# Altium PCB motordriver-v5.2.PcbDoc (part 5 of 7)
Units mil, origin at the board's own origin, x right, y up, seen from the top; angles counter-clockwise.
Board outline 4530.01 x 6141.73 mil, 6 copper layers (Top Copper, GND Layer 1, Signal Layer 1, Signal Layer 2, PWR Layer, Bottom Copper), stack 58.2 mil thick; 778 components, 542 nets, 2552 pads, 1095 vias.
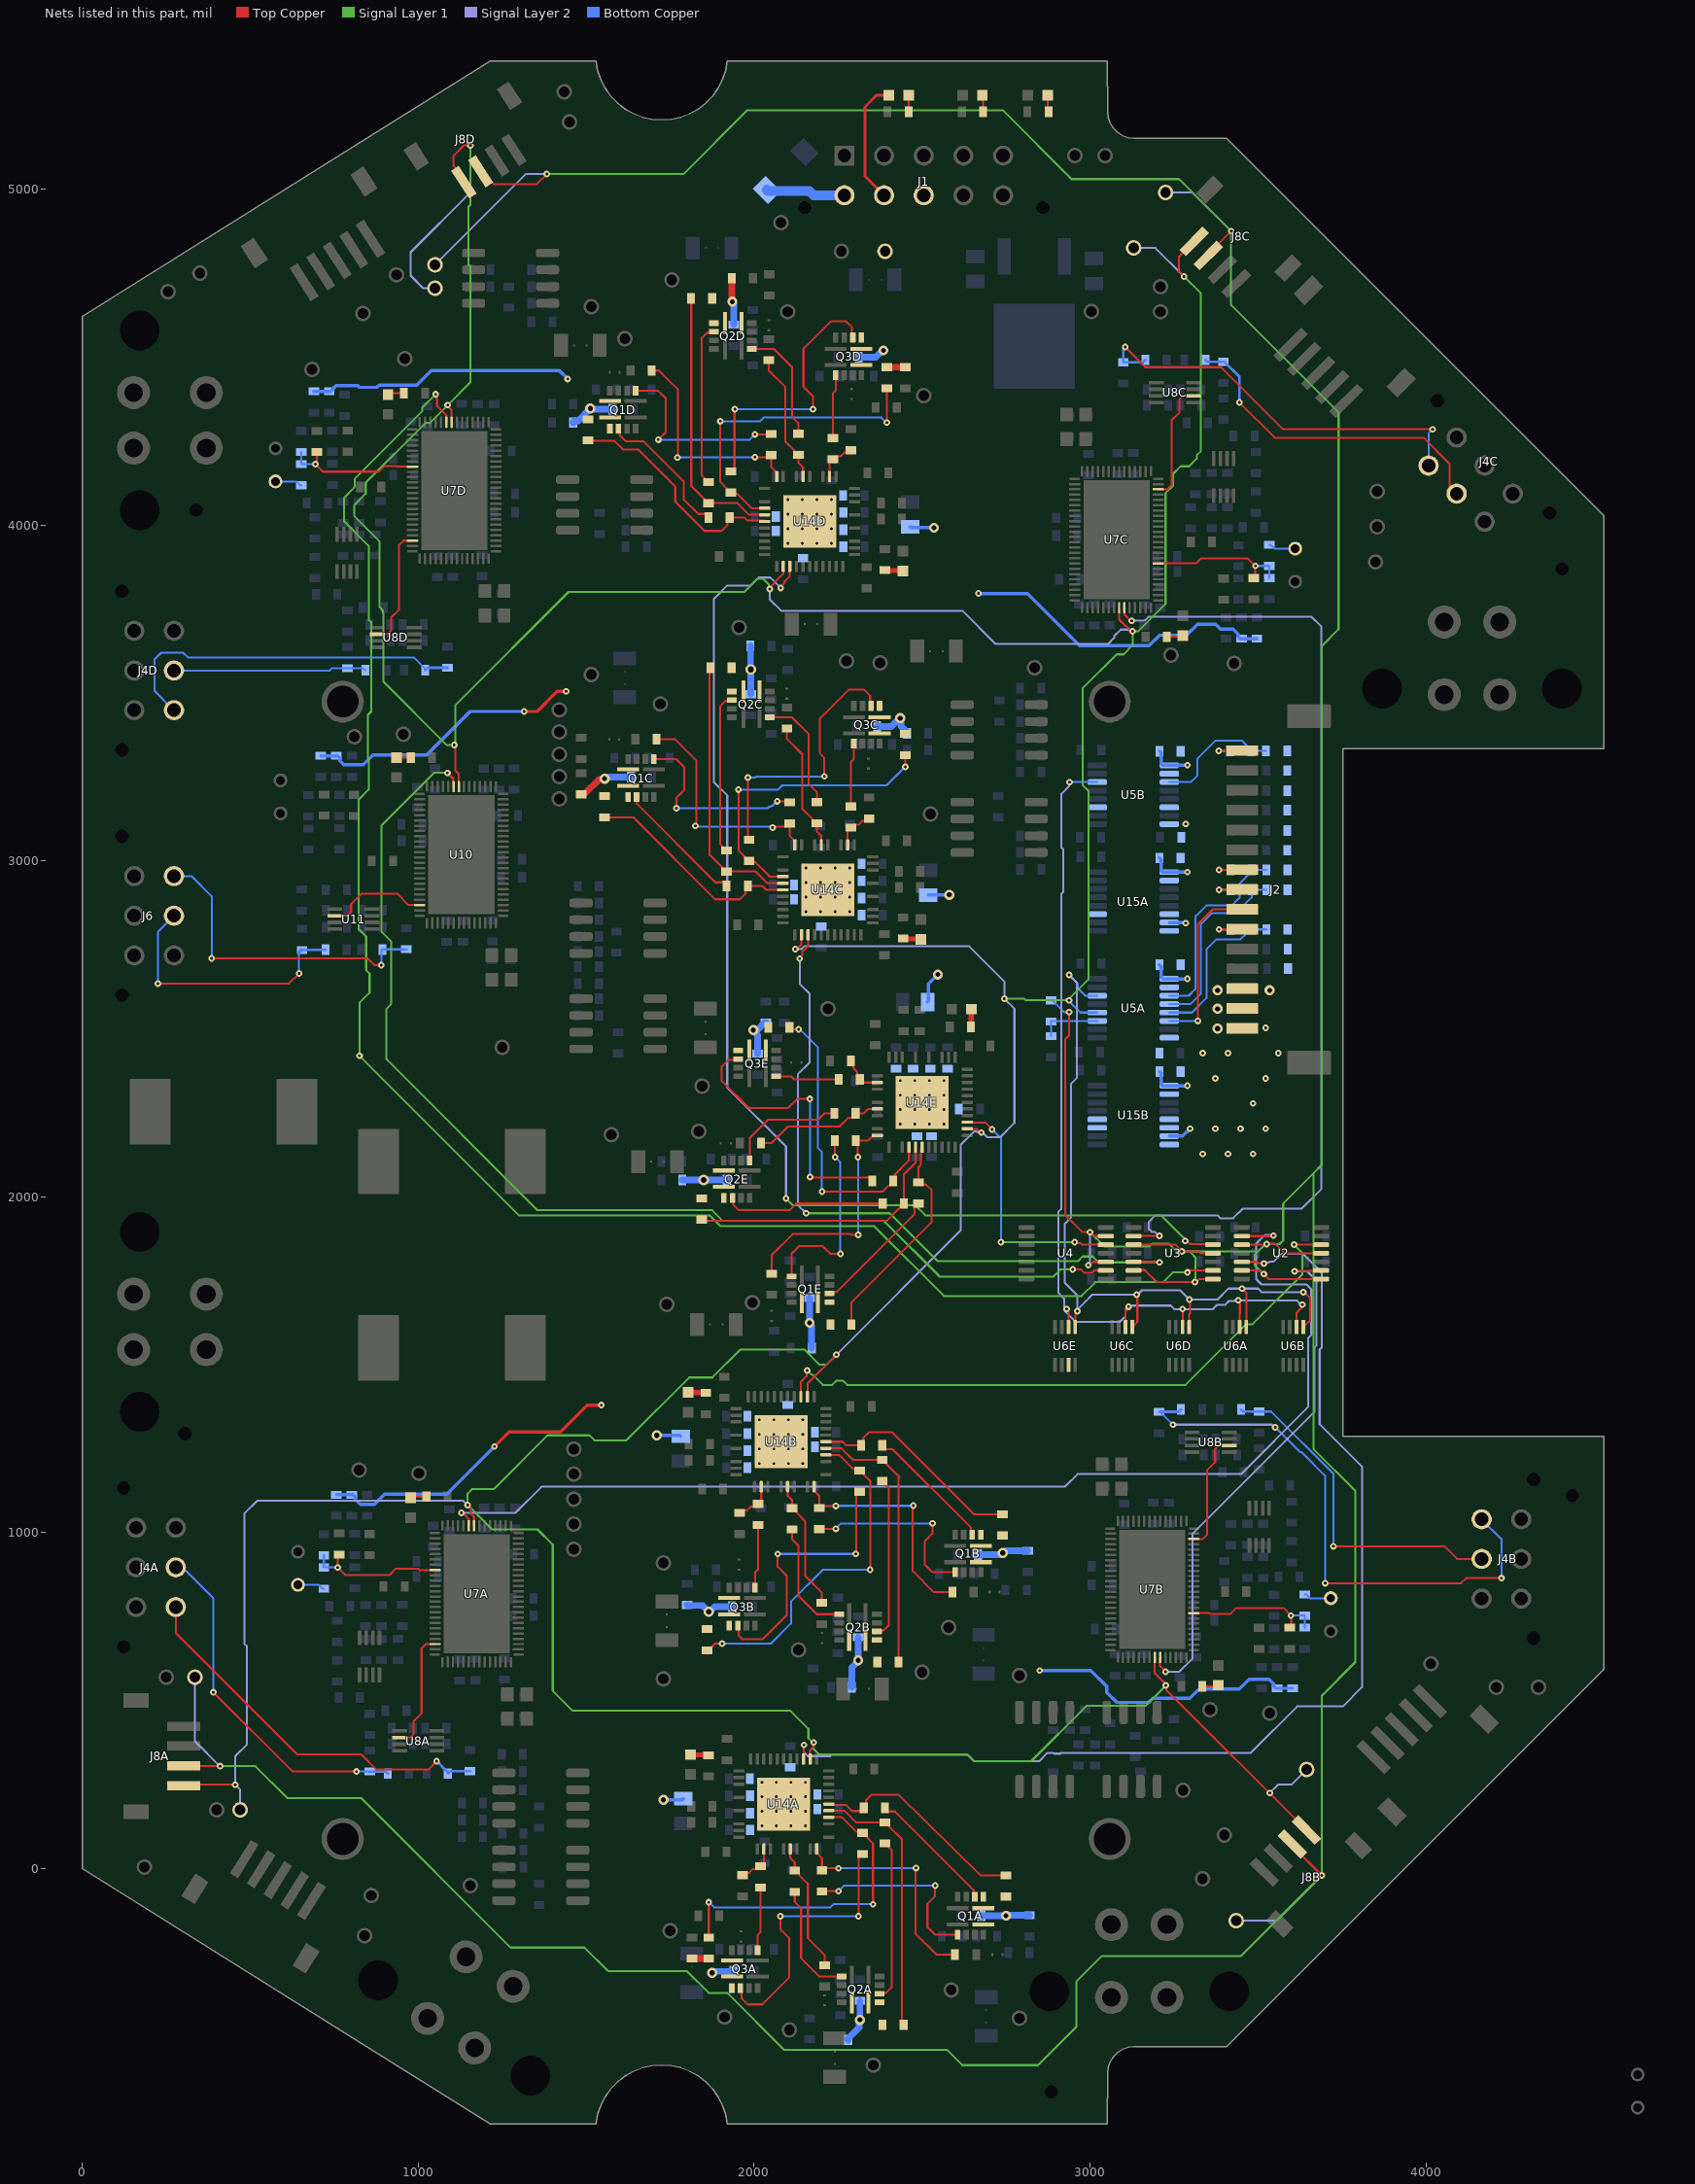
[diagram p9: the nets of this part, all layers, seen from the top]

## Via types
v1: diameter 19.68, hole 7.87, Top Copper to Bottom Copper, tented both sides, 751 vias
v2: diameter 19.68, hole 7.87, Top Copper to Bottom Copper, 276 vias
v3: diameter 30, hole 15, Top Copper to Bottom Copper, tented both sides, 54 vias
v4: diameter 31.5, hole 17.72, Top Copper to Bottom Copper, tented both sides, 14 vias

## Nets (pads, with @x,y where several pads share a name; then routed paths per layer and width w, separated by ;. In a path a pad name is that pad's centre, name@x,y a point inside that pad or via, vN(x,y) a via of type N, cw(c..) or ccw(c..) an arc to the next point about the centre after c; other vN are vias at no path point) (continued)
HALL_VA: J4A.2 R27A.2 R30A.1 | length 1049.7
  Top Copper w6: v1(390,525) 625.92,289.08 v1(815.92,289.08)
  Bottom Copper w6: J4A.2@278.11,896.89 288.11,886.89 308.11,886.89 390,805 v1(390,525) ; v1(815.92,289.08) R30A.1@855.99,289.08
  Bottom Copper w8: R30A.1@855.99,289.08 903.49,289.08 R27A.2@909.49,283.07
HALL_VB: J4B.2 R27B.2 R30B.1 | length 1026.7
  Top Copper w6: v1@3725,960 4055,960 4093,922 J4B.2@4165.89,922
  Bottom Copper w6: R30B.1@3502.99,1360.88 3538.94,1360.88 3725,1174.82 v1(3725,959.82)
  Bottom Copper w8: R27B.2@3449.49,1366.88 3455.49,1360.88 R30B.1@3502.99,1360.88
HALL_VC: J4C.2 R27C.2 R30C.1 | length 976.7
  Top Copper w6: v1(3445,4365) 3550,4260 3993.11,4260 4067.66,4185.46 4070,4183.11 J4C.2@4070,4105.75
  Bottom Copper w8: R27C.2@3343.49,4491.78 3349.49,4485.77 R30C.1@3396.99,4485.77 3400.93,4485.77 3445,4441.7 v1(3445,4365)
HALL_VD: J4D.2 R27D.2 R30D.1 | length 575.4
  Bottom Copper w6: J4D.2@272.53,3566.96 736.96,3566.96 744.08,3574.08 R30D.1@788.99,3574.08 836.49,3574.08 R27D.2@842.49,3568.07
HALL_VE: J6.2 R48.2 R51.1 | length 799.6
  Top Copper w6: v1(225,2635) 615,2635 v1(645,2665)
  Bottom Copper w6: v1(225,2635) 225,2789.42 J6.2@272.53,2836.96 ; v1(645,2665) R51.1@645,2728.26
  Bottom Copper w8: R51.1@653.99,2735.08 723.01,2735.08 R48.2@724,2736.07
  Bottom Copper w10: R51.1@645,2728.26 651.81,2735.08 R51.1@653.99,2735.08
HALL_WY_CTRLA: U7A.36 U8A.2 | length 356.5
  Top Copper w6: U8A.2@944.66,390.24 976.31,390.24 986.43,400.36 986.43,439.51 1009.82,462.9 1009.82,655.6 1022.81,668.59 U7A.36@1050.05,668.59
HALL_WY_CTRLB: U7B.36 U8B.2 | length 356.5
  Top Copper w6: U7B.36@3308.93,981.36 3336.17,981.36 3349.16,994.35 3349.16,1187.05 3372.55,1210.44 3372.55,1249.59 3382.67,1259.71 U8B.2@3414.32,1259.71
HALL_WY_CTRLC: U7C.36 U8C.2 | length 356.5
  Top Copper w6: U7C.36@3202.93,4106.26 3230.17,4106.26 3243.16,4119.24 3243.16,4311.95 3266.55,4335.34 3266.55,4374.48 3276.67,4384.6 U8C.2@3308.32,4384.6
HALL_WY_CTRLD: U7D.36 U8D.2 | length 356.5
  Top Copper w6: U8D.2@877.66,3675.24 909.31,3675.24 919.43,3685.36 919.43,3724.51 943.19,3748.26 943.19,3940.96 955.81,3953.59 U7D.36@983.05,3953.59
HALL_WY_CTRLE: U10.36 U11.2 | length 308
  Top Copper w6: U11.2@751.67,2836.91 788.9,2836.91 799.99,2848 799.99,2871.07 831.99,2903.07 936.99,2903.07 971.31,2868.74 U10.36@1004.49,2868.74
HALL_WYA: J4A.3 R28A.2 R31A.1 | length 1152.2
  Top Copper w6: J4A.3@278.11,778.78 278.11,701.89 640,340 830,340 875,295 1030.01,295 v1(1055,319.99)
  Bottom Copper w8: v1(1055,319.99) 1087.98,287.01 R28A.2@1087.98,283.07 1094.98,290.07 R31A.1@1153.99,290.07
HALL_WYB: J4B.3 R28B.2 R31B.1 | length 1689.5
  Top Copper w6: v1@3700,850 4105,850 4120,865 v1(4225,865)
  Signal Layer 2 w6: v1(3247,1321.81) 3541.21,1321.81 3549.24,1313.79 v1(3551.57,1313.79)
  Bottom Copper w6: R31B.1@3204.99,1359.88 3208.93,1359.88 v1(3247,1321.81) ; v1(3551.57,1313.79) 3624.87,1240.49 3629.32,1240.49 3700,1169.82 v1(3700,849.82) ; J4B.3@4165.89,1040.11 4225,981 v1(4225,865)
  Bottom Copper w8: R31B.1@3208.93,1359.88 3264,1359.88 R28B.2@3271,1366.88
HALL_WYC: J4C.3 R28C.2 R31C.1 | length 1246.1
  Top Copper w6: v1(3105,4530) 3165,4470 3390,4470 3575,4285 v1(4020,4285)
  Bottom Copper w6: J4C.3@4007.97,4177.03 4007.97,4272.97 v1(4020,4285)
  Bottom Copper w8: v1(3105,4530) 3098.99,4523.99 R31C.1@3098.99,4484.78 3158,4484.78 R28C.2@3165,4491.78
HALL_WYD: J4D.3 R28D.2 R31D.1 | length 1082
  Bottom Copper w6: J4D.3@272.53,3448.85 215,3506.38 215,3600 235,3620 300,3620 315,3605 987.99,3605 1020.98,3572.01 R28D.2@1020.98,3568.07
  Bottom Copper w8: R28D.2@1020.98,3568.07 1027.98,3575.07 R31D.1@1086.99,3575.07
HALL_WYE: J6.1 R49.2 R52.1 | length 954.4
  Top Copper w6: v1(385,2710) 849.3,2710 869.3,2690 v1(890,2690)
  Bottom Copper w6: J6.1@272.53,2955.07 324.93,2955.07 385,2895 v1(385,2710) ; v1(890,2690) 890,2733.08 R49.2@892.99,2736.07
  Bottom Copper w8: R49.2@892.99,2736.07 894,2737.08 R52.1@963.99,2737.08
HSG1A: Q1A.7 R59A.1 | length 575.4
  Top Copper w6: R59A.1@2201.99,-66.93 v1(2250.99,-66.93) ; v1(2538.88,-50.76) 2538.88,-81.33 2515.99,-104.22 2515.99,-173.54 2539.06,-196.61 Q1A.7@2605.99,-196.61
  Bottom Copper w6: v1(2250.99,-66.93) 2266.84,-51.08 2538.55,-51.08 v1(2538.88,-50.76)
HSG1B: Q1B.7 R59B.1 | length 575.4
  Top Copper w6: R59B.1@2194.12,1011.81 v1(2243.12,1011.81) ; v1(2531,1027.98) 2531,997.41 2508.12,974.52 2508.12,905.2 2531.19,882.13 Q1B.7@2598.12,882.13
  Bottom Copper w6: v1(2243.12,1011.81) 2258.97,1027.66 2530.68,1027.66 v1(2531,1027.98)
HSG1C: Q1C.7 R59C.1 | length 576.4
  Top Copper w6: Q1C.7@1701.51,3303.07 1768.43,3303.07 1791.51,3279.99 1791.51,3210.67 1768.62,3187.79 v1(1768.62,3157.21) ; v1(2068.66,3177.68) 2101.21,3177.68 R59C.1@2103.7,3175.2
  Bottom Copper w6: v1(1768.62,3157.21) 1768.94,3157.54 2040.66,3157.54 2044.64,3161.52 2048.18,3161.52 2051.05,3164.4 2055.3,3164.4 2068.59,3177.68 v1(2068.66,3177.68)
HSG1D: Q1D.7 R59D.1 | length 574.5
  Top Copper w6: Q1D.7@1647.4,4399.75 1714.33,4399.75 1737.4,4376.68 1737.4,4276.78 v1(1714.84,4254.22) ; v1(2002.4,4270.07) R59D.1@2051.4,4270.07
  Bottom Copper w6: v1(1714.84,4254.22) 1986.55,4254.22 v1(2002.4,4270.07)
HSG1E: Q1E.7 R59E.1 | length 575.4
  Top Copper w6: Q1E.7@2111.31,1763.48 2111.31,1830.41 2134.38,1853.48 2203.7,1853.48 2226.59,1830.59 v1(2257.16,1830.59) ; v1(2240.99,2118.48) R59E.1@2240.99,2167.48
  Bottom Copper w6: v1(2240.99,2118.48) 2256.84,2102.63 2256.84,1830.92 v1(2257.16,1830.59)
HSG2A: Q2A.7 R64A.1 | length 348.9
  Top Copper w6: R64A.1@2120.99,-68.92 2120.99,-98.65 2139.73,-117.39 2139.73,-266.32 2194.62,-321.22 Q2A.7@2260.72,-321.22
HSG2B: Q2B.7 R64B.1 | length 348.9
  Top Copper w6: R64B.1@2113.12,1009.82 2113.11,980.09 2131.85,961.35 2131.85,812.42 2186.75,757.52 Q2B.7@2252.84,757.52
HSG2C: Q2C.7 R64C.1 | length 348.9
  Top Copper w6: Q2C.7@2046.78,3427.67 2112.88,3427.67 2161.89,3378.66 2161.89,3229.72 2186.51,3205.1 R64C.1@2186.51,3175.38
HSG2D: Q2D.7 R64D.1 | length 348.9
  Top Copper w6: Q2D.7@1992.67,4524.36 2058.77,4524.36 2113.67,4469.46 2113.67,4320.52 2132.4,4301.78 R64D.1@2132.4,4272.06
HSG2E: Q2E.7 R64E.1 | length 348.9
  Top Copper w6: Q2E.7@1986.7,2108.75 1986.7,2174.85 2041.6,2229.74 2190.53,2229.74 2209.27,2248.48 R64E.1@2239,2248.48
HSG3A: Q3A.7 R73A.1 | length 190.3
  Top Copper w6: Q3A.7@2010.52,-242.68 2010.52,-197.6 2019.16,-188.96 R73A.1@2019.16,-55.92
HSG3B: Q3B.7 R73B.1 | length 190.3
  Top Copper w6: Q3B.7@2002.65,836.06 2002.65,881.14 2011.28,889.78 R73B.1@2011.28,1022.82
HSG3C: Q3C.7 R73C.1 | length 190.3
  Top Copper w6: R73C.1@2288.34,3162.38 2288.34,3295.41 2296.98,3304.05 Q3C.7@2296.98,3349.13
HSG3D: Q3D.7 R73D.1 | length 190.3
  Top Copper w6: R73D.1@2234.23,4259.06 2234.23,4392.1 2242.87,4400.73 Q3D.7@2242.87,4445.81
HSG3E: Q3E.7 R73E.1 | length 190.3
  Top Copper w6: Q3E.7@2065.24,2358.95 2110.32,2358.95 2118.96,2350.31 R73E.1@2252,2350.31
HSUA: R57A.2 R59A.2 U14A.37 | length 684.1
  Top Copper w6: U14A.37@2186.48,58.54 2186.48,46.73 2201.99,31.22 R59A.2@2201.99,-4.93 ; R59A.2@2207.99,1.07 v1(2250.99,1.07) ; v1(2482.04,1.94) 2480.01,-0.09 2480.01,-192.95 2542.73,-255.67 R57A.2@2598.12,-255.67
  Bottom Copper w6: v1(2250.99,1.07) 2251.43,1.5 2481.6,1.5 v1(2482.04,1.94)
HSUB: R57B.2 R59B.2 U14B.37 | length 684.1
  Top Copper w6: U14B.37@2178.61,1137.28 2178.61,1125.47 2194.12,1109.96 R59B.2@2194.12,1073.81 ; R59B.2@2200.12,1079.81 v1(2243.12,1079.81) ; v1(2474.17,1080.68) 2472.13,1078.65 2472.13,885.79 2534.85,823.07 R57B.2@2590.24,823.07
  Bottom Copper w6: v1(2243.12,1079.81) 2243.55,1080.24 2473.73,1080.24 v1(2474.17,1080.68)
HSUC: R57C.2 R59C.2 U14C.37 | length 688.4
  Top Copper w6: R57C.2@1709.38,3362.12 1764.77,3362.12 1827.49,3299.4 1827.49,3106.55 v1(1825.46,3104.51) ; v1(2054.84,3099.39) 2058.55,3099.39 2061.73,3102.57 2096.7,3102.57 R59C.2@2099.51,3105.39 ; R59C.2@2105.51,3111.39 2105.51,3075.23 2121.02,3059.72 U14C.37@2121.02,3047.91
  Bottom Copper w6: v1(1825.46,3104.51) 1828.02,3101.95 2052.28,3101.95 v1(2054.84,3099.39)
HSUD: R57D.2 R59D.2 U14D.37 | length 649.1
  Top Copper w6: R57D.2@1695,4460 1716.67,4460 1740.83,4435.83 1773.38,4403.28 1773.38,4203.23 v1(1771.35,4201.2) ; v1(2002.4,4202.07) R59D.2@2045.4,4202.07 ; R59D.2@2051.4,4208.07 2051.4,4171.91 2066.91,4156.4 U14D.37@2066.91,4144.59
  Bottom Copper w6: v1(1771.35,4201.2) 1771.79,4201.63 2001.97,4201.63 v1(2002.4,4202.07)
HSUE: R57E.2 R59E.2 U14E.37 | length 685.2
  Top Copper w6: R57E.2@2052.25,1771.35 2052.25,1826.74 2114.97,1889.46 2288.02,1889.46 2290.82,1886.66 v1(2309.86,1886.66) ; R59E.2@2302.99,2167.48 2339.14,2167.48 2354.65,2182.99 U14E.37@2366.47,2182.99 ; v1(2308.99,2118.48) R59E.2@2308.99,2161.48
  Bottom Copper w6: v1(2308.99,2118.48) 2309.43,2118.04 2309.43,1887.09 v1(2309.86,1886.66)
HSVA: R63A.2 R64A.2 U14A.34 | length 390.7
  Top Copper w6: U14A.34@2107.74,58.54 2107.74,31.68 2120.99,18.43 R64A.2@2120.99,-5.93 2124.93,-5.93 2134.24,-15.24 2134.24,-19.18 2159.99,-44.93 2159.99,-207.3 2209.73,-257.05 R63A.2@2209.73,-287.56
HSVB: R63B.2 R64B.2 U14B.34 | length 390.7
  Top Copper w6: U14B.34@2099.87,1137.28 2099.87,1110.42 2113.12,1097.17 R64B.2@2113.12,1072.81 2117.05,1072.81 2126.36,1063.5 2126.36,1059.56 2152.12,1033.81 2152.12,871.44 2201.86,821.69 R63B.2@2201.86,791.18
HSVC: R63C.2 R64C.2 U14C.34 | length 390.7
  Top Copper w6: R63C.2@2097.77,3394.01 2097.76,3363.5 2143.6,3317.67 2143.6,3155.3 2173.26,3125.63 2173.26,3121.7 2182.57,3112.39 R64C.2@2186.51,3112.39 2186.51,3088.02 2199.76,3074.77 U14C.34@2199.76,3047.91
HSVD: R63D.2 R64D.2 U14D.34 | length 390.7
  Top Copper w6: R63D.2@2043.66,4490.7 2043.66,4460.18 2093.4,4410.44 2093.4,4248.07 2119.15,4222.32 2119.15,4218.38 2128.46,4209.07 R64D.2@2132.4,4209.07 2132.4,4184.71 2145.65,4171.46 U14D.34@2145.65,4144.59
HSVE: R63E.2 R64E.2 U14E.34 | length 390.7
  Top Copper w6: R63E.2@2020.36,2159.74 2050.87,2159.74 2100.62,2209.48 2254.48,2209.48 2280.23,2235.23 2292.68,2235.23 2301.99,2244.54 R64E.2@2301.99,2248.48 2326.35,2248.48 2339.6,2261.73 U14E.34@2366.47,2261.73
HSWA: R71A.2 R73A.2 U14A.31 | length 116.6
  Top Copper w6: R71A.2@1964.99,-19.44 1971.81,-12.61 1985.31,-12.61 1996.99,-0.93 2011.16,-0.93 R73A.2@2019.16,7.07 ; R73A.2@2029,7.07 U14A.31@2029,58.54
HSWB: R71B.2 R73B.2 U14B.31 | length 116.6
  Top Copper w6: R71B.2@1957.12,1059.3 1963.94,1066.13 1977.44,1066.13 1989.12,1077.81 2003.28,1077.81 R73B.2@2011.28,1085.81 ; R73B.2@2021.13,1085.81 U14B.31@2021.13,1137.28
HSWC: R71C.2 R73C.2 U14C.31 | length 116.6
  Top Copper w6: U14C.31@2278.5,3047.91 R73C.2@2278.5,3099.39 ; R73C.2@2288.34,3099.39 2296.34,3107.38 2310.51,3107.38 2322.19,3119.07 2335.69,3119.07 R71C.2@2342.51,3125.89
HSWD: R71D.2 R73D.2 U14D.31 | length 116.6
  Top Copper w6: U14D.31@2224.39,4144.59 R73D.2@2224.39,4196.07 ; R73D.2@2234.23,4196.07 2242.23,4204.07 2256.4,4204.07 2268.08,4215.75 2281.58,4215.75 R71D.2@2288.4,4222.57
HSWE: R71E.2 R73E.2 U14E.31 | length 116.6
  Top Copper w6: R71E.2@2288.49,2404.48 2295.31,2397.66 2295.31,2384.16 2306.99,2372.48 2306.99,2358.31 R73E.2@2314.99,2350.31 ; R73E.2@2314.99,2340.47 U14E.31@2366.47,2340.47
IN3B: U15B.5
IN4A: U15A.11
IN4B: U15B.11
IN4B1: U5B.11
JETSON_3V3: C3A.2 C3B.2 C75A.2 C75B.2 J2.14 J2.15 U5A.1 U5B.1 U15A.1 U15A.7 U15B.1 U15B.7 | length 601.8
  Bottom Copper w10: C75B.2@3205.74,3010 C75B.2@3207,3008.74 3212.52,3003.22 3212.52,2970.3 3216.08,2966.74 U15A.1@3236.06,2966.74 ; C3A.2@3206.26,2690 C3A.2@3207,2690.74 3212.52,2685.22 3212.52,2652.3 3216.08,2648.74 U5A.1@3236.06,2648.74 ; C75A.2@3207,2372.74 3212.52,2367.22 3212.52,2334.3 3216.08,2330.74 U15B.1@3236.06,2330.74 ; C3B.2@3207,3326.74 3212.52,3321.22 3212.52,3288.3 3216.08,3284.74 U5B.1@3236.06,3284.74 3236.19,3284.87 3289.87,3284.87 v1(3290,3285) ; U15B.7@3236.06,2180.74 3275.88,2180.74 v2(3298.1,2202.96) ; U15A.7@3236.06,2816.74 3236.93,2815.87 3284.13,2815.87 v1(3285,2815) ; U15B.1@3236.19,2330.87 v1@3289.87,2330.87 ; U5A.1@3236.19,2648.87 v1@3289.87,2648.87 ; U15A.1@3236.19,2966.87 v1@3289.87,2966.87
  other v1: 3290,2331 3290,2649 3290,2967
  other v2: 3410.6,2127.96 3448.1,2202.96 3373.1,2352.96 3410.6,2427.96
  other v3: 3380,2500.94 3380,2560
JETSON_GND: C3A.1 C3B.1 C52A.1 C52B.1 C52D.1 C52E.1 C52F.1 C52G.1 C52H.1 C52I.1 C52J.1 C52K.1 C52L.1 C75A.1 C75B.1 J2.13 R14A.2 R14B.2 U5A.2 U5A.8 U5B.2 U5B.8 U15A.2 U15A.8 U15B.2 U15B.8
  other v1: 3285,3110
  other v2: 3335.6,2127.96 3485.6,2127.96 3373.1,2202.96 3523.1,2202.96 3485.6,2277.96 3523.1,2352.96 3335.6,2427.96 3560.6,2427.96 3523.1,2502.96
  other v3: 3380,2615 3535,2615
LED3V3: D2.1 R11.1 | length 51
  Top Copper w6: D2.1@2874.06,5280 2874.06,5232.52 R11.1@2876.56,5230.01
LED5V: D3.1 R12.1 | length 50.8
  Top Copper w6: D3.1@2679.53,5280 2681.5,5278.03 R12.1@2681.5,5230
LEDA: D5A.1 R25A.1 | length 48.9
  Top Copper w6: D5A.1@977.14,1103.67 981.08,1107.6 R25A.1@1024.38,1107.6
LEDB: D5B.1 R25B.1 | length 48.9
  Top Copper w6: R25B.1@3334.6,542.35 3377.9,542.35 D5B.1@3381.84,546.29
LEDC: D5C.1 R25C.1 | length 48.9
  Top Copper w6: R25C.1@3228.6,3667.24 3271.9,3667.24 D5C.1@3275.84,3671.18
LEDD: D5D.1 R25D.1 | length 48.9
  Top Copper w6: D5D.1@910.14,4388.67 914.08,4392.6 R25D.1@957.38,4392.6
LEDE: D6.1 R46.1 | length 43.3
  Top Copper w6: D6.1@934.99,3308.07 977.89,3308.07 R46.1@978.2,3307.76
LEDVCC: D4.1 R13.1 | length 50
  Top Copper w6: R13.1@2460,5230 D4.1@2460,5280
LSG1A: Q1A.2 R61A.1 | length 389.6
  Top Copper w6: R61A.1@2389.46,181.34 2389.46,177.4 2396.77,170.09 2419.63,170.09 2653.85,-64.13 2653.85,-80.69 Q1A.2@2657.17,-84.02
LSG1B: Q1B.2 R61B.1 | length 389.6
  Top Copper w6: R61B.1@2381.58,1260.08 2381.58,1256.14 2388.9,1248.83 2411.75,1248.83 2645.98,1014.61 2645.98,998.05 Q1B.2@2649.3,994.72
LSG1C: Q1C.2 R61C.1 | length 391.7
  Top Copper w6: Q1C.2@1650.33,3190.47 1650.32,3170.36 1884.32,2936.36 1910.73,2936.36 1918.04,2929.05 R61C.1@1918.04,2925.12
LSG1D: Q1D.2 R61D.1 | length 420.8
  Top Copper w6: Q1D.2@1596.22,4287.15 1599.54,4283.83 1599.54,4267.27 1616.81,4250 1670,4250 1790,4130 1790,4076.81 1833.77,4033.05 1856.62,4033.05 1863.93,4025.74 R61D.1@1863.93,4021.8
LSG1E: Q1E.2 R61E.1 | length 389.6
  Top Copper w6: Q1E.2@2223.91,1712.3 2227.23,1715.62 2243.79,1715.62 2478.01,1949.84 2478.01,1972.7 2485.32,1980.01 R61E.1@2489.26,1980.01
LSG2A: Q2A.2 R67A.1 | length 482.9
  Top Copper w6: Q2A.2@2373.32,-372.4 2376.14,-369.58 2393.4,-369.58 2409.14,-353.84 2409.14,55.35 2400.2,64.29 2400.2,68.23 2393.39,75.04 R67A.1@2389.46,75.04
LSG2B: Q2B.2 R67B.1 | length 482.9
  Top Copper w6: Q2B.2@2365.44,706.34 2368.27,709.16 2385.53,709.16 2401.27,724.9 2401.27,1134.09 2392.33,1143.03 2392.33,1146.97 2385.52,1153.78 R67B.1@2381.58,1153.78
LSG2C: Q2C.2 R67C.1 | length 482.9
  Top Copper w6: R67C.1@1918.04,3031.41 1914.1,3031.41 1907.29,3038.22 1907.29,3042.16 1898.36,3051.1 1898.36,3460.29 1914.09,3476.03 1931.36,3476.03 Q2C.2@1934.18,3478.86
LSG2D: Q2D.2 R67D.1 | length 482.9
  Top Copper w6: R67D.1@1863.93,4128.1 1860,4128.1 1853.19,4134.91 1853.19,4138.84 1844.25,4147.78 1844.25,4556.98 1859.99,4572.71 1877.25,4572.71 Q2D.2@1880.08,4575.54
LSG2E: Q2E.2 R67E.1 | length 480.5
  Top Copper w6: Q2E.2@1935.52,1996.15 1938.34,1993.33 1938.34,1976.07 1954.08,1960.33 2105.33,1960.33 2125.01,1980.01 R67E.1@2382.96,1980.01
LSG3A: Q3A.2 R75A.1 | length 833.2
  Top Copper w6: Q3A.2@1959.34,-355.28 1962.16,-358.09 1962.16,-385.29 1981.08,-404.21 2024.38,-404.21 2104.99,-323.6 2104.99,-206.93 2077.99,-179.93 v1(2077.99,-141.93) ; v1(2310.72,-141.5) 2311.78,-140.43 2311.78,36.73 2318.59,43.54 R75A.1@2322.53,43.54
  Bottom Copper w6: v1(2077.99,-141.93) 2078.21,-141.71 2310.5,-141.71 v1(2310.72,-141.5)
LSG3B: Q3B.2 R75B.1 | length 826.2
  Top Copper w6: Q3B.2@1951.46,723.46 1954.29,720.65 1954.29,693.45 1964.73,683 2024.98,683 2097.12,755.14 2097.12,871.81 2070.12,898.81 v1(2070.12,936.81) ; v1(2302.84,937.24) 2303.9,938.31 2303.9,1115.47 2310.72,1122.28 R75B.1@2314.65,1122.28
  Bottom Copper w6: v1(2070.12,936.81) 2070.33,937.03 2302.62,937.03 v1(2302.84,937.24)
LSG3C: Q3C.2 R75C.1 | length 818.6
  Top Copper w6: v1(1981.16,3247.95) 1981.16,3066.72 R75C.1@1984.97,3062.91 ; v1(2209.01,3251.64) 2209.01,3306.89 2195,3320.89 2195,3422.55 2283.12,3510.66 2326.42,3510.66 2345.34,3491.75 2345.34,3464.55 Q3C.2@2348.16,3461.73
  Bottom Copper w6: v1(1981.16,3247.95) 2002.78,3247.95 2006.47,3251.64 v1(2209.01,3251.64)
LSG3D: Q3D.2 R75D.1 | length 834.3
  Top Copper w6: R75D.1@1930.86,4159.59 1934.8,4159.59 1941.61,4166.4 1941.61,4343.57 v1(1942.68,4344.63) ; v1(2175.4,4345.07) 2175.4,4383.07 2147.06,4411.41 2147.06,4525.4 2229.01,4607.34 2272.32,4607.34 2291.23,4588.43 2291.23,4561.23 Q3D.2@2294.05,4558.41
  Bottom Copper w6: v1(1942.68,4344.63) 1942.89,4344.85 2175.18,4344.85 v1(2175.4,4345.07)
LSG3E: Q3E.2 R75E.1 | length 833.2
  Top Copper w6: Q3E.2@1952.65,2410.13 1949.83,2407.31 1922.63,2407.31 1903.71,2388.39 1903.71,2345.09 1984.32,2264.48 2100.99,2264.48 2127.99,2291.48 v1(2165.99,2291.48) ; v1(2166.43,2058.75) 2167.49,2057.69 2344.66,2057.69 2351.47,2050.88 R75E.1@2351.47,2046.94
  Bottom Copper w6: v1(2165.99,2291.48) 2166.21,2291.26 2166.21,2058.97 v1(2166.43,2058.75)
LSUA: R61A.2 R62A.2 U14A.5 | length 663.9
  Top Copper w6: U14A.5@2221.91,189.15 2273.91,189.15 2291.48,171.57 2317.65,171.57 2326.46,180.39 R61A.2@2326.46,181.34 2332.98,187.85 2332.98,203.6 2349.38,220 2395,220 2429.39,220.32 2674.84,-20.61 2749.39,-20.61 R62A.2@2750,-20
LSUB: R61B.2 R62B.2 U14B.5 | length 657.3
  Top Copper w6: U14B.5@2214.04,1271.14 2262.78,1271.14 2273.85,1260.08 R61B.2@2318.59,1260.08 2325.1,1266.59 2325.1,1282.34 2342.21,1299.45 2410.55,1299.45 2655,1055 R62B.2@2740,1055
LSUC: R61C.2 R62C.2 U14C.5 | length 661.9
  Top Copper w6: R62C.2@1555,3130 1640,3130 1884.26,2885.74 1957.41,2885.74 1974.52,2902.85 1974.52,2918.6 R61C.2@1981.03,2925.12 2024.88,2925.12 2035.95,2914.05 U14C.5@2085.59,2914.05
LSUD: R61D.2 R62D.2 U14D.5 | length 693.3
  Top Copper w6: R62D.2@1505,4252.01 1506.39,4250.62 1584.38,4250.62 1610,4225 1655,4225 1765,4115 1765,4070 1852.57,3982.43 1903.3,3982.43 1920.41,3999.54 1920.41,4015.29 R61D.2@1926.93,4021.8 1971.67,4021.8 1979.48,4013.98 U14D.5@2031.48,4013.98
LSUE: R61E.2 R62E.2 U14E.5 | length 655.2
  Top Copper w6: R62E.2@2290,1620 2290,1686.26 2528.63,1924.89 2528.63,2019.38 2511.52,2036.49 2495.77,2036.49 R61E.2@2489.26,2043 2489.26,2087.75 2497.07,2095.56 U14E.5@2497.07,2147.56